# Allegro board 1155001-Timing_board_V3_20241024_1805_pcb.brd (continued)
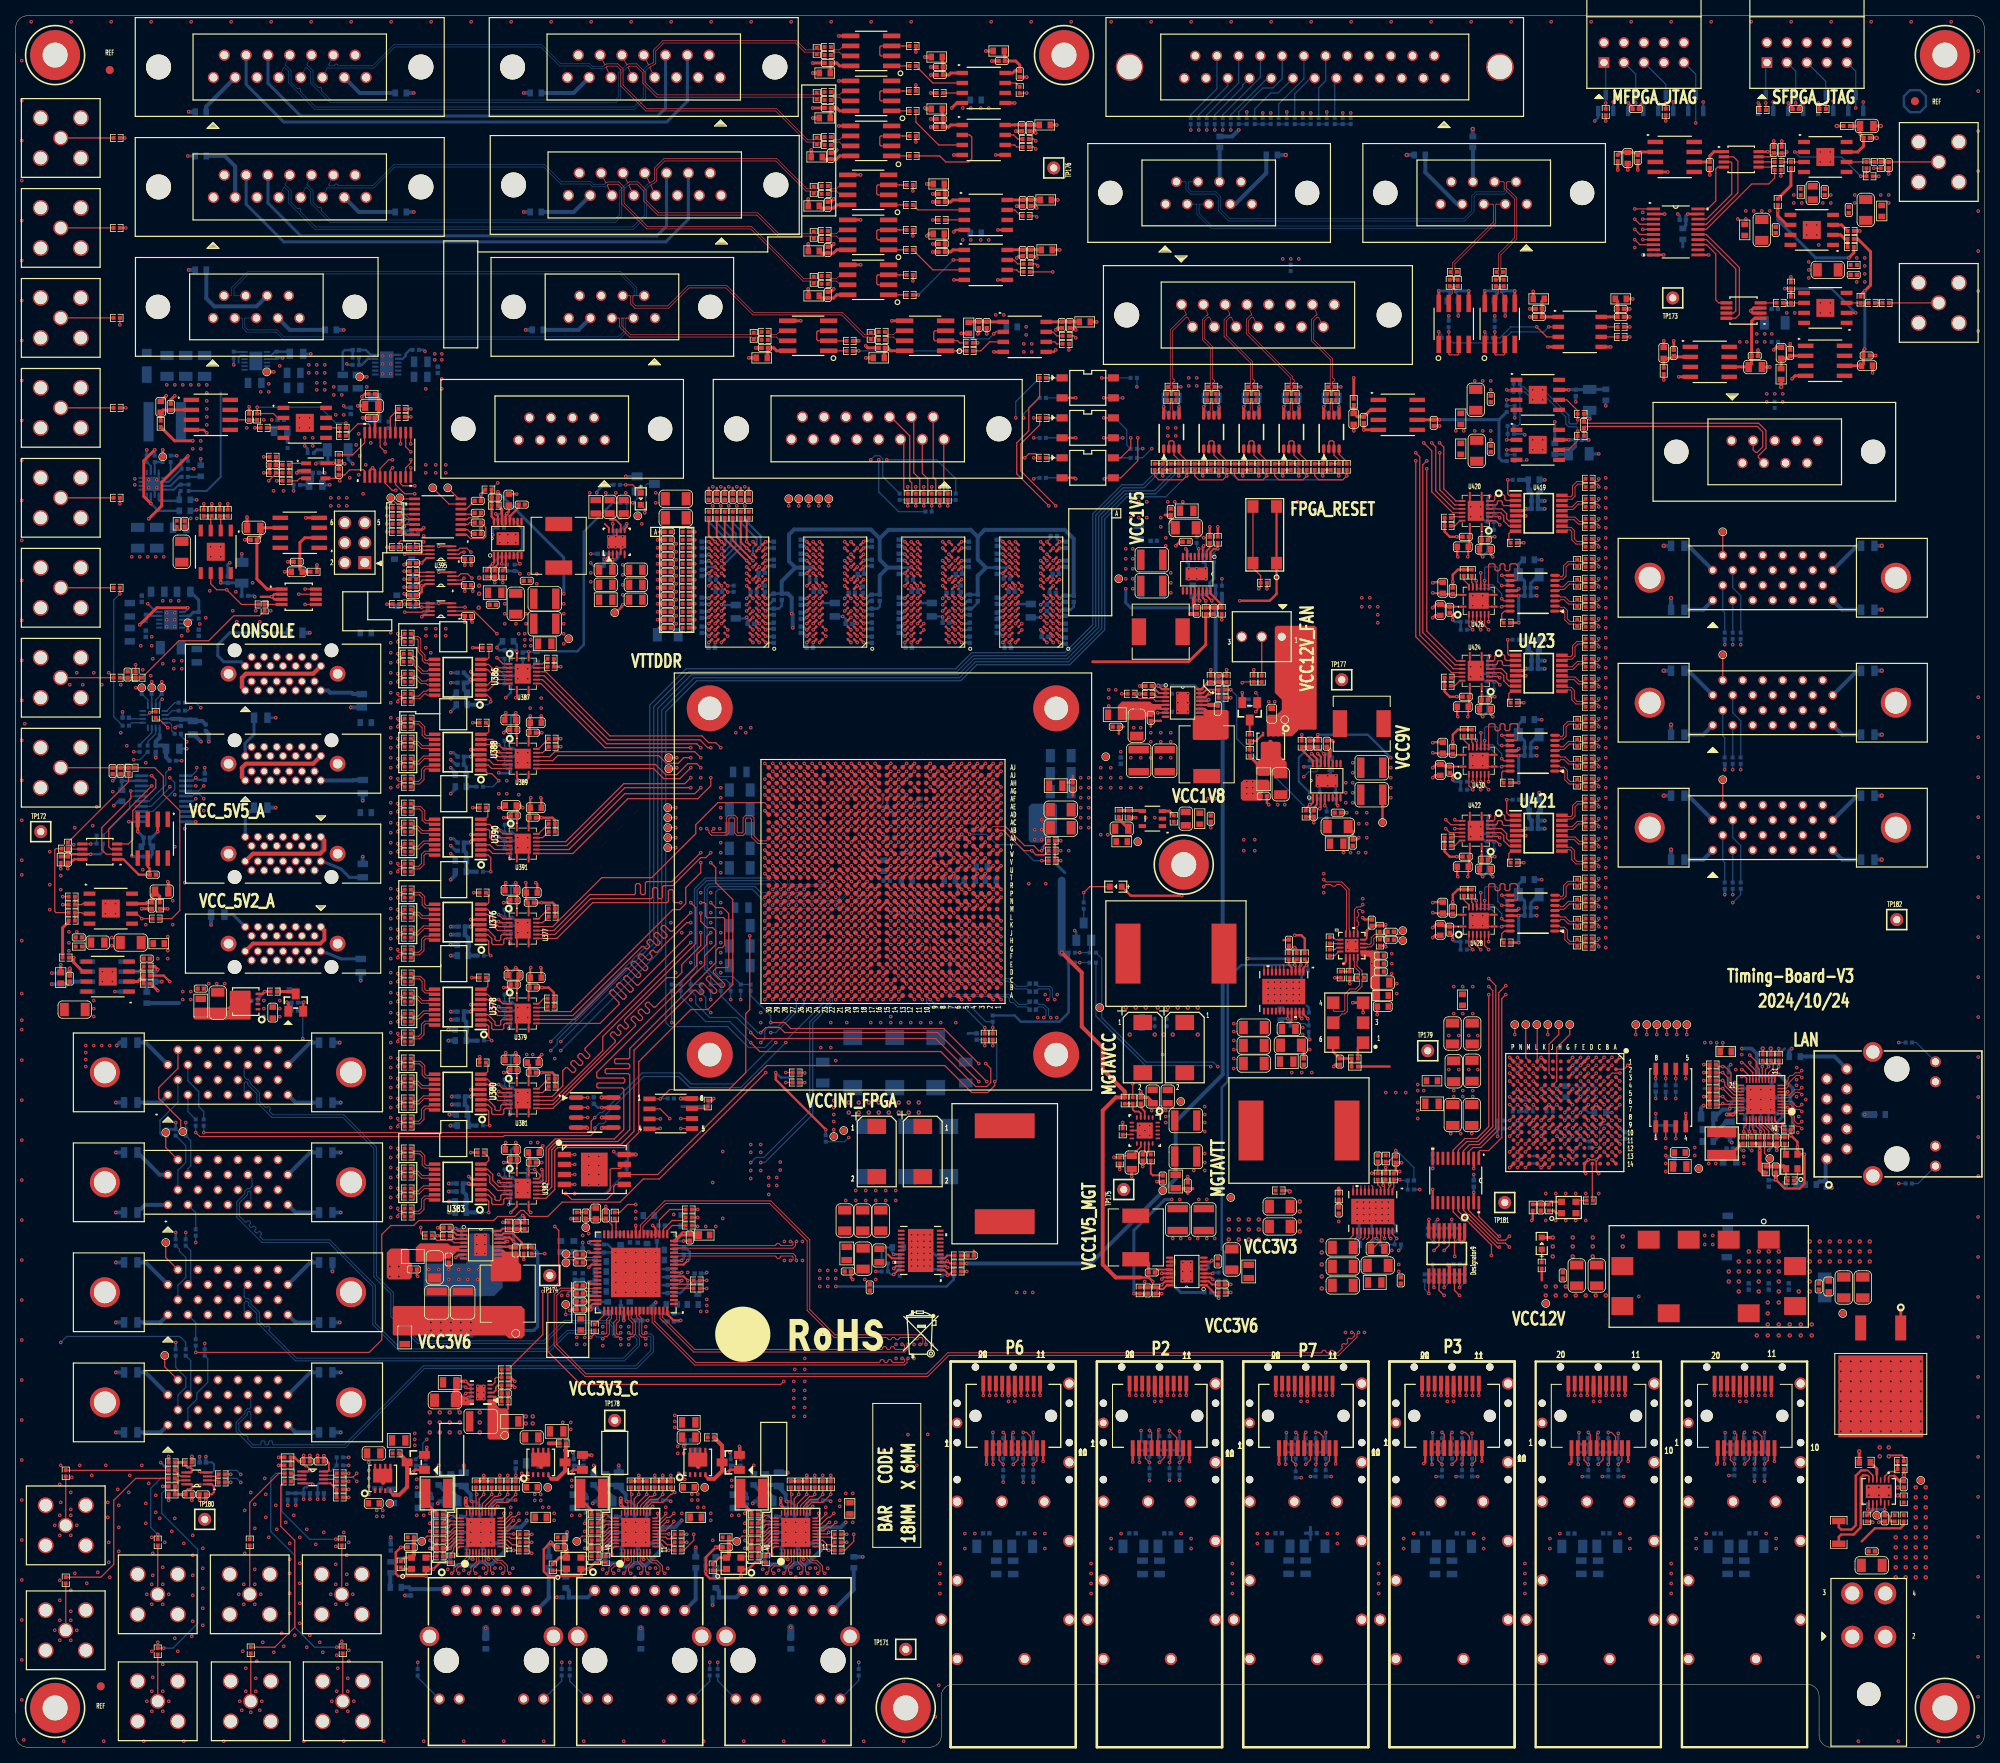
[diagram p0: board, top side]
## Routing (per net, layer and track width the routed paths; a pad name or vN(x,y) marks a point on that pad's centre or on a via; arc(x,y) is an arc through that point) (continued)
SFPGA_RGMII_MDIO: length 47.9
  TOP w0.157: U88.N10 v1(190.72,77.65) ; v2(221.87,88.77) R855.2
  ART03 w0.117: v2(221.87,88.77) 221.87,89.03 220.43,90.47 212.9,90.47 208.72,86.3 208.72,84.65 206.32,82.25 206.32,78.44 204.85,76.96 204.85,76.07 203.94,75.16 199.62,75.16 198.22,76.56 198.22,78.92 198.02,79.12 191.51,79.12 191.39,79 191.39,77.76 191.27,77.65 v1(190.72,77.65)
SFPGA_RGMII_RX_CLK: length 50
  TOP w0.157: U93.27 216.88,81.7 v1(216.79,81.79) 216.66,81.66 R868.1 ; U88.H11 195.72,77.64 v1(195.72,77.65)
  ART10 w0.117: v1(195.72,77.65) 195.24,77.17 191.66,77.17 191.26,76.77 191.26,76.45 191.01,76.2 190.47,76.2 190.22,75.95 190.22,75.46 189.23,74.47 189.23,73.15 190.88,71.5 211.46,71.5 213.74,73.79 213.74,78.11 216.43,80.8 216.43,81.43 v1(216.79,81.79)
  BOTTOM w0.157: R868.1 216.66,81.66 v1(216.79,81.79)
SFPGA_RGMII_RX_CTL: length 49.8
  TOP w0.157: R869.1 v1(216.79,82.68) 217.37,82.1 U93.26 ; U88.P12 v1(189.72,75.65)
  ART10 w0.117: v1(216.79,82.68) 217.3,82.17 217.3,81.53 216.81,81.05 216.81,80.67 214.12,77.98 214.12,71.11 214.01,70.99 213.7,70.99 213.58,71.11 213.58,72.15 213.47,72.26 213.23,72.26 213.12,72.15 213.12,71.11 213,70.99 190.63,70.99 188.72,72.9 188.72,74.64 v1(189.72,75.65)
  BOTTOM w0.157: R869.1 v1(216.79,82.68)
SFPGA_RGMII_RXD0: length 49.8
  TOP w0.157: U93.25 217.99,82.5 v1(216.79,83.69) R872.1 ; U88.M11 v1(191.72,76.65)
  ART10 w0.117: v1(216.79,83.69) 216.17,83.69 216.05,83.58 216.05,80.92 212.72,77.6 212.72,74.29 212.45,74.02 212.29,74.02 212.07,74.24 211.91,74.24 211.74,74.07 211.74,73.91 211.96,73.69 211.96,73.53 211.79,73.36 211.63,73.36 211.41,73.58 211.24,73.58 211.08,73.41 211.08,73.25 211.29,73.03 211.29,72.86 211.13,72.7 210.96,72.7 210.75,72.91 210.58,72.91 210.42,72.75 210.42,72.58 210.63,72.37 210.63,72.2 210.44,72.01 209.18,72.01 209.06,72.13 209.06,73.16 208.94,73.28 208.71,73.28 208.59,73.16 208.59,72.13 208.48,72.01 191.13,72.01 190.25,72.9 190.25,74.78 190.65,75.18 190.95,75.18 191.26,75.49 191.26,75.82 191.72,76.28 v1(191.72,76.65)
  BOTTOM w0.157: R872.1 v1(216.79,83.69)
SFPGA_RGMII_RXD1: length 49.9
  TOP w0.157: U88.M12 v1(191.72,75.65) ; R863.2 v1(216.79,84.71) 217.04,84.45 217.04,84.07 218.22,82.9 U93.24
  ART10 w0.117: v1(216.79,84.71) 215.65,84.71 213.23,82.3 213.23,80.26 211.96,78.99 211.96,75.56 211.07,74.68 208.91,74.68 207.01,72.77 205.63,72.77 205.51,72.89 205.51,73.29 205.4,73.41 205.16,73.41 205.05,73.29 205.05,72.89 204.93,72.77 204.67,72.77 204.55,72.89 204.55,74.05 204.43,74.17 204.2,74.17 204.08,74.05 204.08,72.89 203.97,72.77 203.73,72.77 203.62,72.89 203.62,73.54 203.5,73.66 203.27,73.66 203.15,73.54 203.15,72.89 203.03,72.77 202.8,72.77 202.68,72.89 202.68,73.54 202.57,73.66 202.33,73.66 202.21,73.54 202.21,72.89 202.1,72.77 201.86,72.77 201.75,72.89 201.75,73.54 201.63,73.66 199.14,73.66 198.25,72.77 191.86,72.77 191.22,73.41 191.22,74.26 191.72,74.76 v1(191.72,75.65)
  BOTTOM w0.157: R863.2 v1(216.79,84.71)
SFPGA_RGMII_RXD2: length 49.8
  TOP w0.157: U88.N14 v1(190.72,73.65) ; R862.2 v1(216.79,85.72) 217.42,85.09 217.42,84.2 218.33,83.3 U93.23
  ART10 w0.117: v1(190.72,73.65) 190.72,73.31 191.64,72.39 208.04,72.39 208.15,72.51 208.15,73.41 208.41,73.66 210.69,73.66 212.34,75.31 212.34,78.74 212.55,78.95 212.72,78.95 213.06,78.6 213.22,78.6 213.39,78.77 213.39,78.93 213.05,79.28 213.05,79.44 213.21,79.61 213.38,79.61 213.72,79.27 213.89,79.27 214.05,79.43 214.05,79.6 213.71,79.94 213.71,80.1 213.87,80.27 214.04,80.27 214.38,79.93 214.55,79.93 214.71,80.09 214.71,80.26 214.37,80.6 214.37,80.77 214.54,80.93 214.7,80.93 215.04,80.59 215.21,80.59 215.37,80.75 215.37,80.92 215.03,81.26 215.03,81.43 215.65,82.04 215.65,84.08 215.76,84.2 217.69,84.2 217.81,84.32 217.81,85.61 217.69,85.72 v1(216.79,85.72)
  BOTTOM w0.157: R862.2 v1(216.79,85.72)
SFPGA_RGMII_RXD3: length 50.1
  TOP w0.157: R857.2 216.17,86.49 v1(216.79,86.49) 217.04,86.49 217.83,85.7 217.83,84.3 218.44,83.7 U93.22 ; U88.M14 v1(191.72,73.65)
  ART10 w0.117: v1(191.72,73.65) 193.13,75.06 195.17,75.06 195.29,74.94 195.29,73.65 195.4,73.53 195.64,73.53 195.76,73.65 195.76,74.94 195.87,75.06 197.99,75.06 198.88,74.17 203.12,74.17 203.58,74.63 204.94,74.63 205.06,74.51 205.06,74.03 205.18,73.91 205.41,73.91 205.53,74.03 205.53,74.51 205.64,74.63 205.88,74.63 205.99,74.51 205.99,74.03 206.11,73.91 206.34,73.91 206.46,74.03 206.46,74.51 206.58,74.63 206.81,74.63 206.93,74.51 206.93,74 207.04,73.89 207.36,73.89 209.17,75.69 211.47,75.69 211.58,75.81 211.58,79.25 212.72,80.39 212.72,84.84 214.12,86.23 215.59,86.23 215.72,86.11 215.72,85.59 215.84,85.47 216.07,85.47 216.19,85.59 216.19,86.37 216.31,86.49 v1(216.79,86.49)
  BOTTOM w0.157: v1(216.79,86.49) 216.17,86.49 R857.2
SFPGA_RGMII_TX_CLK: length 51.1
  TOP w0.157: v1(219.2,85.22) 219.58,85.22 219.81,84.99 U93.20 ; U88.G11 v1(196.72,76.65)
  ART03 w0.117: v1(196.72,76.65) 196.15,77.22 193.42,77.22 193.17,76.96 193.17,76.45 192.66,75.95 192.66,73.28 194.69,71.25 204.85,71.25 209.3,75.69 209.93,75.69 210.18,75.94 210.18,79.89 210.3,80.01 210.6,80.01 210.72,79.89 210.72,79.31 210.83,79.2 211.07,79.2 211.18,79.31 211.18,79.89 211.3,80.01 212.85,80.01 213.87,81.03 213.87,85.98 214.12,86.23 214.63,86.23 215.34,86.94 217.12,86.94 217.3,86.77 217.3,85.9 217.98,85.22 v1(219.2,85.22)
SFPGA_RGMII_TX_CTL: length 51.2
  TOP w0.157: U93.19 220.21,85.22 219.33,86.11 v1(219.2,86.11) ; U88.K11 v1(193.72,76.65)
  ART03 w0.117: v1(219.2,86.11) 217.75,87.55 214.43,87.55 213.49,86.61 213.49,81.28 213.36,81.15 211.55,81.15 211.43,81.04 211.43,80.76 211.32,80.64 211.08,80.64 210.97,80.76 210.97,81.04 210.85,81.15 209.93,81.15 209.8,81.03 209.8,78.31 209.56,78.06 209.24,78.06 209.12,77.95 209.12,76.02 207.41,74.32 207.25,74.32 206.9,74.66 206.74,74.66 206.57,74.49 206.57,74.33 206.92,73.98 206.92,73.82 206.75,73.65 206.58,73.65 206.24,74 206.08,74 205.91,73.83 205.91,73.67 206.25,73.32 206.25,73.16 206.09,72.99 205.92,72.99 205.58,73.34 205.42,73.34 205.25,73.17 205.25,73 205.59,72.66 205.59,72.5 205.43,72.33 205.26,72.33 204.92,72.67 204.75,72.67 204.59,72.51 204.59,72.34 204.93,72 204.93,71.84 204.72,71.63 194.94,71.63 193.17,73.41 193.17,75.56 193.72,76.12 v1(193.72,76.65)
SFPGA_RGMII_TXD0: length 51.2
  TOP w0.157: v1(219.2,87) 219.33,87 220.62,85.71 U93.18 ; U88.J11 v1(194.72,76.65)
  ART03 w0.117: v1(219.2,87) 218.82,87 217.89,87.92 214.29,87.92 213.11,86.74 213.11,82.03 212.61,81.53 209.79,81.53 208.71,80.45 208.71,80.13 208.83,80.02 209.26,80.02 209.37,79.9 209.37,79.67 209.26,79.55 208.45,79.55 208.33,79.43 208.33,79.2 208.45,79.08 209.26,79.08 209.37,78.96 209.37,78.73 209.26,78.61 208.83,78.61 208.71,78.5 208.71,77.14 207.99,76.42 207.99,76.25 208.33,75.91 208.33,75.74 208.17,75.58 208,75.58 207.15,76.43 206.98,76.43 206.82,76.26 206.82,76.1 207.67,75.25 207.67,75.08 207.5,74.92 207.34,74.92 207,75.26 206.83,75.26 203.58,72.01 195.2,72.01 194.18,73.03 194.18,76.11 v1(194.72,76.65)
SFPGA_RGMII_TXD1: length 50.9
  TOP w0.157: v1(220.22,87) 220.22,86.74 221.02,85.94 U93.17 ; U88.J12 v1(194.72,75.65)
  ART03 w0.117: v1(220.22,87) 220.73,87.5 220.73,88.55 219.61,89.66 218.41,89.66 217.84,89.1 214.1,89.1 213.98,89.21 213.98,89.55 213.86,89.66 213.63,89.66 213.51,89.55 213.51,89.21 213.39,89.1 212.59,89.1 211.36,87.87 211.36,87.7 211.42,87.64 211.42,87.47 211.26,87.3 211.09,87.3 211.03,87.37 210.86,87.37 210.21,86.72 210.21,86.12 210.09,86 209.59,86 209.47,85.89 209.47,85.65 209.59,85.53 210.09,85.53 210.21,85.42 210.21,83.43 210.09,83.31 208.41,83.31 207.09,81.99 207.09,78.12 205.61,76.65 205.61,75.77 203.61,73.76 196.33,73.76 196.22,73.88 196.22,76.65 196.1,76.76 195.85,76.76 195.73,76.65 195.73,74.77 195.61,74.65 195.38,74.65 195.26,74.77 195.26,75.53 195.14,75.65 v1(194.72,75.65)
SFPGA_RGMII_TXD2: length 51.1
  TOP w0.157: v1(220.22,87.95) 221.11,87.06 221.11,86.49 221.42,86.18 U93.16 ; U88.J13 v1(194.72,74.65)
  ART03 w0.117: v1(194.72,74.65) 194.72,74.26 195.66,73.33 198.14,73.33 198.25,73.21 198.25,73.01 198.37,72.9 198.6,72.9 198.72,73.01 198.72,73.21 198.84,73.33 203.71,73.33 205.99,75.62 205.99,76.49 207.47,77.96 207.47,81.48 207.9,81.92 208.53,81.92 208.91,82.3 208.91,82.81 209.03,82.93 211.31,82.93 211.43,83.05 211.43,85.4 211.31,85.52 210.68,85.52 210.57,85.63 210.57,85.87 210.68,85.99 212.1,85.99 212.22,86.1 212.22,86.34 212.1,86.45 210.94,86.45 210.82,86.57 210.82,86.8 210.94,86.92 212.24,86.92 212.39,87.06 212.39,87.23 211.91,87.71 211.91,87.88 212.07,88.04 212.24,88.04 212.72,87.56 212.88,87.56 213.05,87.73 213.05,87.89 212.57,88.37 212.57,88.54 212.73,88.7 212.9,88.7 213.38,88.22 213.55,88.22 214.04,88.72 218,88.72 218.57,89.28 219.46,89.28 220.22,88.52 v1(220.22,87.95)
SFPGA_RGMII_TXD3: length 51
  TOP w0.157: U93.15 v1(221.81,86.49) ; U88.J14 v1(194.72,73.65)
  ART03 w0.117: v1(221.81,86.49) 221.81,84.24 221.7,84.12 221,84.12 220.88,84.24 220.88,86.17 220.76,86.28 220.53,86.28 220.41,86.17 220.41,84.24 220.3,84.12 219.8,84.12 219.68,84.24 219.68,87.36 219.54,87.5 218.95,87.5 218.14,88.32 214.17,88.32 212.6,86.74 212.6,83.19 211.33,81.92 209.55,81.92 209.04,81.41 208.28,81.41 207.85,80.98 207.85,77.8 206.38,76.33 206.38,75.44 203.33,72.39 195.98,72.39 v1(194.72,73.65)
SYNC_N: length 12.6
  TOP w0.089: J127.2 151.42,182.1 151.38,181.98 151.22,181.9 150.71,181.39 150.71,178.82 151.71,177.82 151.71,173.11 R3362.2 151.71,172.6 151.71,172.34 R3364.2
SYNC_P: length 12.5
  TOP w0.089: J127.10 151.62,181.67 151.51,181.71 151.39,181.66 151,181.27 151,178.94 152,177.95 152,173.86 152.09,173.77 152.16,173.77 152.25,173.68 152.25,173.5 152.16,173.41 152.09,173.41 152,173.33 152,173.11 R3362.1 152,172.6 152,172.34 R3365.2
TDI_1_GPIO_IN: length 9.6
  TOP w0.157: R3275.2 v1(18.03,27.05)
  BOTTOM w0.157: R2611.1 18.41,34.16 17.14,32.89 17.14,27.94 v1(18.03,27.05)
TDI_1_SYNC_GPIO_OUT: length 13
  TOP w0.157: R3279.2 v1(40.64,26.44)
  BOTTOM w0.157: R2617.1 33.78,33.42 33.78,29.97 37.32,26.44 v1(40.64,26.44)
TDI_2_GPIO_IN: length 26
  TOP w0.157: R3276.2 v1(18.8,12.59)
  BOTTOM w0.157: R2613.1 18.54,32.28 18.54,29.72 23.11,25.15 23.11,15.75 19.96,12.59 v1(18.8,12.59)
TDI_2_SYNC_GPIO_OUT: length 29.3
  TOP w0.157: R3280.2 v1(40.77,12.72)
  BOTTOM w0.157: R2619.1 33.02,34.8 32.38,34.16 32.38,27.43 35.43,24.38 35.43,15.24 37.95,12.72 v1(40.77,12.72)
TDI_3_GPIO_IN: length 23
  TOP w0.157: R2623.1 15.24,34.16 12.45,31.37 12.45,23.24 10.81,21.61 R3277.2
TDI_3_SYNC_GPIO_OUT: length 10.6
  TOP w0.157: R3281.2 29.72,31.11 33.4,34.8 R2629.1
TDI_4_GPIO_IN: length 13.1
  TOP w0.157: R2625.1 6.37,35.18 R3278.2
TDI_4_SYNC_GPIO_OUT: length 26.1
  TOP w0.157: R3282.2 32.91,12.72 35.43,15.24 35.43,26.29 33.66,28.07 33.66,33.29 R2631.1
TIMING_SPI_CLK_1_N: length 152
  TOP w0.122: U247.V20 v1(105.14,113)
  ART10 w0.099: 94.64,107.6 94.61,107.6 94.54,107.67 93.72,107.67 91.59,105.54 77.72,105.54 68.07,95.89 63.12,95.89 62.36,95.12 62.36,93.73 61.91,93.28 60.39,93.28 56.13,89.03 54.23,89.03 51.31,86.11 51.31,78.36 49.53,76.58 49.53,59.18 47.16,56.81 47.16,42.81 45.34,41 43.17,41 42.87,40.7 42.87,39.76 42.77,39.66 42.37,39.66 42.27,39.76 42.27,40.7 41.97,41 40,41 39.7,40.7 39.7,39.48 39.6,39.38 39.2,39.38 39.1,39.48 39.1,40.7 38.8,41 38.12,41 37.82,40.7 37.82,39.48 37.72,39.38 37.33,39.38 37.23,39.48 37.23,40.7 36.93,41 36.16,41 34.68,39.51 30.89,39.51 30.79,39.61 30.79,39.76 30.69,39.86 30.49,39.86 30.39,39.76 30.39,39.61 30.29,39.51 30.09,39.51 29.99,39.61 29.99,39.76 29.9,39.86 29.7,39.86 29.6,39.76 29.6,39.61 29.5,39.51 29.3,39.51 29.2,39.61 29.2,39.76 29.1,39.86 28.9,39.86 28.81,39.76 28.81,39.61 28.71,39.51 26.53,39.51 26.12,39.92 26.12,41.59 27.1,42.57 27.22,42.57 27.33,42.46 27.33,41.94 26.95,41.55 J62.7
  ART10 w0.102: v1(105.14,113) 105.43,113 105.54,112.9 105.54,107.8 105.34,107.6 94.64,107.6
TIMING_SPI_CLK_1_P: length 152.4
  TOP w0.122: U247.V19 v1(106.14,113)
  ART10 w0.099: 94.64,107.4 94.61,107.4 94.54,107.33 93.87,107.33 91.73,105.19 77.87,105.19 68.21,95.54 63.26,95.54 62.7,94.98 62.7,93.58 62.05,92.94 60.53,92.94 56.28,88.68 54.37,88.68 51.65,85.96 51.65,78.22 49.87,76.44 49.87,59.04 47.5,56.66 47.5,42.67 45.48,40.65 43.31,40.65 43.21,40.55 43.21,39.62 42.91,39.32 42.23,39.32 41.93,39.62 41.93,40.55 41.83,40.65 40.14,40.65 40.04,40.55 40.04,39.34 39.74,39.04 39.06,39.04 38.76,39.34 38.76,40.55 38.66,40.65 38.26,40.65 38.17,40.55 38.17,39.34 37.87,39.04 37.19,39.04 36.89,39.34 36.89,40.55 36.79,40.65 36.31,40.65 34.82,39.17 26.39,39.17 25.78,39.77 25.78,41.73 26.96,42.91 27.23,42.91 27.33,43.01 27.33,43.66 26.95,44.04 J62.20
  ART10 w0.102: 94.64,107.4 105.44,107.4 105.74,107.7 105.74,112.9 105.84,113 v1(106.14,113)
TIMING_SPI_CLK_2_N: length 114.9
  TOP w0.122: U247.K29 v1(96.14,104)
  ART08 w0.099: J73.7 26.95,69.52 27.43,70 27.43,70.28 27.27,70.45 27.09,70.45 26.05,69.41 26.05,67.96 27.22,66.79 28.6,66.79 28.7,66.89 28.7,67.03 28.8,67.13 29,67.13 29.1,67.03 29.1,66.89 29.2,66.79 29.4,66.79 29.5,66.89 29.5,67.03 29.59,67.13 29.79,67.13 29.89,67.03 29.89,66.89 29.99,66.79 30.19,66.79 30.29,66.89 30.29,67.03 30.39,67.13 30.59,67.13 30.68,67.03 30.68,66.89 30.78,66.79 30.98,66.79 31.08,66.89 31.08,67.03 31.18,67.13 31.38,67.13 31.48,67.03 31.48,66.89 31.58,66.79 35.24,66.79 35.34,66.89 35.34,68.62 35.64,68.92 36.32,68.92 36.62,68.62 36.62,66.89 36.72,66.79 37.12,66.79 37.22,66.89 37.22,68.62 37.52,68.92 38.2,68.92 38.5,68.62 38.5,66.89 38.6,66.79 38.99,66.79 39.09,66.89 39.09,68.62 39.39,68.92 40.07,68.92 40.37,68.62 40.37,66.89 40.47,66.79 43.57,66.79 46.21,69.43 50.89,69.43 51.28,69.82 51.28,69.96 50.71,70.53 50.71,70.95 51.19,71.44 51.62,71.44 52.19,70.87 52.33,70.87 56.26,74.8 57.81,74.8 58.71,75.71 58.71,76.6 62.09,79.97 65.49,79.97 66.97,81.45 66.97,83.71 74.92,91.66 88.86,91.66 90.04,92.84 90.04,96.62 91.92,98.51 91.92,103.46 92.43,103.96 93.52,103.96 93.81,103.67 94.62,103.67 94.69,103.6 94.71,103.6
  ART08 w0.102: v1(96.14,104) 96.43,104 96.54,103.9 96.54,103.75 96.38,103.6 94.71,103.6
TIMING_SPI_CLK_2_P: length 114.8
  TOP w0.122: U247.K28 v1(97.14,104)
  ART08 w0.099: 94.71,103.4 94.69,103.4 94.62,103.33 93.67,103.33 93.38,103.62 92.57,103.62 92.27,103.32 92.27,98.36 90.39,96.48 90.39,92.69 89.01,91.32 75.06,91.32 67.31,83.57 67.31,81.3 65.64,79.63 62.23,79.63 59.05,76.45 59.05,75.56 57.95,74.46 56.4,74.46 52.47,70.53 52.04,70.53 51.47,71.09 51.34,71.09 51.05,70.81 51.05,70.67 51.62,70.1 51.62,69.68 51.03,69.09 46.35,69.09 43.71,66.45 40.33,66.45 40.03,66.75 40.03,68.48 39.93,68.57 39.53,68.57 39.44,68.48 39.44,66.75 39.14,66.45 38.46,66.45 38.16,66.75 38.16,68.48 38.06,68.57 37.66,68.57 37.56,68.48 37.56,66.75 37.26,66.45 36.58,66.45 36.28,66.75 36.28,68.48 36.18,68.57 35.79,68.57 35.69,68.48 35.69,66.75 35.39,66.45 27.07,66.45 25.7,67.82 25.7,69.55 26.95,70.79 27.15,70.79 27.33,70.97 27.33,71.63 26.95,72.01 J73.20
  ART08 w0.102: 94.71,103.4 96.47,103.4 96.74,103.67 96.74,103.9 96.84,104 v1(97.14,104)
TIMING_SPI_CLK_3_N: length 106.1
  TOP w0.122: U247.AF28 v1(97.14,121)
  ART10 w0.099: J74.7 26.95,83.49 27.33,83.87 27.33,84.4 27.22,84.5 27.1,84.5 25.91,83.31 25.91,82.3 26.42,81.79 26.97,81.79 27.07,81.89 27.07,81.99 27.17,82.09 27.37,82.09 27.47,81.99 27.47,81.89 27.57,81.79 27.76,81.79 27.86,81.89 27.86,81.99 27.96,82.09 28.16,82.09 28.26,81.99 28.26,81.89 28.36,81.79 28.56,81.79 28.66,81.89 28.66,81.99 28.75,82.09 28.95,82.09 29.05,81.99 29.05,81.89 29.15,81.79 29.35,81.79 29.45,81.89 29.45,81.99 29.55,82.09 29.75,82.09 29.84,81.99 29.84,81.89 29.94,81.79 35.31,81.79 38.86,85.34 38.86,86.51 38.76,86.61 36.94,86.61 36.64,86.91 36.64,87.59 36.94,87.89 38.76,87.89 38.86,87.99 38.86,88.39 38.76,88.49 36.94,88.49 36.64,88.79 36.64,89.47 36.94,89.77 38.76,89.77 38.86,89.87 38.86,91.19 47.12,99.44 56.26,99.44 59.82,103 65.15,103 81.03,118.87 87.14,118.87 88.46,120.18 95.05,120.18 95.12,120.11 95.15,120.11
  ART10 w0.102: v1(97.14,121) 97.14,120.7 97.04,120.6 95.8,120.6 95.31,120.11 95.15,120.11
TIMING_SPI_CLK_3_P: length 106
  TOP w0.122: U247.AE28 v1(97.14,120)
  ART10 w0.099: 95.15,119.91 95.12,119.91 95.05,119.84 88.6,119.84 87.29,118.53 81.17,118.53 65.29,102.65 59.96,102.65 56.4,99.1 47.26,99.1 39.2,91.04 39.2,89.72 38.91,89.42 37.08,89.42 36.98,89.33 36.98,88.93 37.08,88.83 38.91,88.83 39.2,88.53 39.2,87.85 38.91,87.55 37.08,87.55 36.98,87.45 36.98,87.05 37.08,86.96 38.91,86.96 39.2,86.66 39.2,85.2 35.45,81.45 26.27,81.45 25.57,82.15 25.57,83.45 26.96,84.84 27.23,84.84 27.33,84.94 27.33,85.6 26.95,85.98 J74.20
  ART10 w0.102: 95.15,119.91 95.4,119.91 95.89,120.4 97.04,120.4 97.14,120.3 v1(97.14,120)
TIMING_SPI_CLK_4_N: length 130.1
  TOP w0.122: U247.N24 v1(102.14,108)
  ART08 w0.099: 101.07,91.45 98.14,88.52 97.24,88.52 94.57,85.84 94.57,85.32 88.33,79.08 72.22,79.08 71.81,78.67 71.81,77.25 67.69,73.13 67.69,72.5 66.09,70.9 63.55,70.9 61.56,68.92 61.56,67.53 60.49,66.46 57.57,66.46 53.25,62.14 39.8,62.14 39.71,62.04 39.71,59.2 39.41,58.9 38.78,58.9 38.42,59.25 38.42,62.04 38.33,62.14 37.93,62.14 37.83,62.04 37.83,59.2 37.53,58.9 36.9,58.9 36.55,59.25 36.55,62.04 36.45,62.14 36.06,62.14 35.96,62.04 35.96,60.02 35.66,59.72 34.98,59.72 34.68,60.02 34.68,62.04 34.58,62.14 30.39,62.14 29.72,61.47 29.72,60.33 28.57,59.18 28.57,58.57 27.3,57.3 27.3,56.99 27,56.69 26.72,56.69 26.42,56.39 26.42,55.48 J94.7
  ART08 w0.102: v1(102.14,108) 102.43,108 102.54,108.1 102.54,108.3 102.43,108.4 101.85,108.4 101.74,108.28 101.74,94.34 101.81,94.27 101.81,92.19 101.08,91.45 101.07,91.45
TIMING_SPI_CLK_4_P: length 130.1
  TOP w0.122: U247.P23 v1(103.14,108)
  ART08 w0.099: 100.83,91.7 97.99,88.86 97.1,88.86 94.23,85.98 94.23,85.46 88.19,79.42 72.08,79.42 71.46,78.81 71.46,77.39 67.35,73.27 67.35,72.64 65.95,71.25 63.4,71.25 61.21,69.06 61.21,67.67 60.35,66.8 57.43,66.8 53.11,62.48 39.66,62.48 39.36,62.18 39.36,59.34 39.26,59.25 38.92,59.25 38.77,59.4 38.77,62.18 38.47,62.48 37.79,62.48 37.49,62.18 37.49,59.34 37.39,59.25 37.04,59.25 36.89,59.4 36.89,62.18 36.59,62.48 35.91,62.48 35.61,62.18 35.61,60.16 35.51,60.06 35.12,60.06 35.02,60.16 35.02,62.18 34.72,62.48 30.25,62.48 29.38,61.61 29.38,60.47 28.23,59.32 28.23,58.71 26.96,57.44 26.96,57.14 26.86,57.03 26.66,57.03 26.54,57.15 26.54,58.36 J94.20
  ART08 w0.102: 100.83,91.7 101.47,92.33 101.47,94.27 101.54,94.34 101.54,108.37 101.77,108.6 102.52,108.6 102.74,108.38 102.74,108.1 102.84,108 v1(103.14,108)
TIMING_SPI_CLK_5_N: length 29.3
  TOP w0.122: R3303.1 200.51,142.71 200.92,142.71 201.04,142.59 v1(201.04,142.37)
  ART10 w0.099: J112.7 223.55,146.14 223.55,147.34 223.45,147.44 223.34,147.44 222,146.1 222,143.33 221.37,142.7 201.38,142.7 v1(201.04,142.37)
TIMING_SPI_CLK_5_P: length 29.4
  TOP w0.122: v1(201.04,143.38) 201.04,143.16 200.92,143.04 200.51,143.04 R3304.1
  ART10 w0.099: J112.20 223.55,149.14 223.55,147.89 223.45,147.79 223.2,147.79 221.65,146.24 221.65,143.47 221.23,143.05 201.38,143.05 v1(201.04,143.38)
TIMING_SPI_CLK_5_P_S: length 7.9
  TOP w0.157: v1(188.72,144.91) 188.81,145 U425.15 ; v1(185.48,148.23) 185.55,148.16 U426.13
  BOTTOM w0.157: v1(188.72,144.91) 187.99,144.91 187.83,145.06 187.83,146.69 187.32,147.19 185.8,147.19 185.48,147.52 v1(185.48,148.23)
TIMING_SPI_CLK_5_P_S_C: length 162.5
  TOP w0.157: U247.AG24 v1(101.14,122) ; v1(186.05,141.99) 185.55,142.49 U426.4
  ART05 w0.117: v1(186.05,141.99) 185.54,142.49 182.25,142.49 180.72,144.02 179.83,144.02 179.45,144.4 175.29,144.4 175.17,144.52 175.17,145.17 175.06,145.29 174.82,145.29 174.71,145.17 174.71,144.52 174.59,144.4 174.36,144.4 174.24,144.52 174.24,145.17 174.12,145.29 173.89,145.29 173.77,145.17 173.77,144.52 173.65,144.4 168.91,144.4 156.59,156.72 138.05,156.72 136.17,158.6 129.9,158.6 128.6,157.3 85.55,157.3 83.61,155.37 83.61,153.97 83.01,153.36 83.01,139.89 85.97,136.93 92.13,136.93 102.62,126.44 102.62,124.31 101.69,123.38 101.69,122.56 v1(101.14,122)
TIMING_SPI_CLK_6_N: length 34
  TOP w0.122: v1(201.04,101.73) 201.04,101.95 200.92,102.07 200.51,102.07 R3311.1
  ART10 w0.099: J113.7 223.55,114.39 223.55,115.59 223.45,115.69 223.34,115.69 222,114.35 222,109.88 214.18,102.06 201.38,102.06 v1(201.04,101.73)
TIMING_SPI_CLK_6_P: length 34.1
  TOP w0.122: v1(201.04,102.74) 201.04,102.52 200.92,102.4 200.51,102.4 R3312.1
  ART10 w0.099: J113.20 223.55,117.39 223.55,116.14 223.45,116.04 223.2,116.04 221.65,114.49 221.65,110.02 214.04,102.41 201.38,102.41 v1(201.04,102.74)
TIMING_SPI_CLK_6_P_S: length 7.9
  TOP w0.157: v1(185.48,107.59) 185.48,107.59 185.55,107.52 U428.13 ; v1(188.72,104.27) 188.81,104.36 U427.15
  BOTTOM w0.157: v1(185.48,107.59) 185.48,106.88 185.8,106.55 187.33,106.55 187.83,106.05 187.83,104.42 187.99,104.27 v1(188.72,104.27)
TIMING_SPI_CLK_6_P_S_C: length 191.1
  TOP w0.157: U428.4 185.55,101.85 v1(186.05,101.35) ; U247.AE25 v1(100.14,120)
  ART03 w0.117: v1(186.05,101.35) 185.54,101.85 184.78,101.85 178.82,107.82 178.82,139.32 177.04,141.1 177.04,143 170.94,149.1 147.96,149.1 147.37,149.68 142.93,149.68 142.24,150.37 137.04,150.37 133,154.41 87.66,154.41 86.74,153.49 86.74,136.65 84.84,134.75 84.84,130.68 86.87,128.65 89.41,128.65 91.9,126.16 99.62,126.16 100.61,125.17 100.61,120.47 v1(100.14,120)
TIMING_SPI_CLK_7_N: length 30.2
  TOP w0.122: R3319.1 200.51,122.39 200.92,122.39 201.04,122.27 v1(201.04,122.05)
  ART10 w0.099: v1(201.04,122.05) 201.38,122.38 204.28,122.38 208.16,126.26 219.05,126.26 222,129.21 222,130.23 223.34,131.57 223.45,131.57 223.55,131.47 223.55,130.26 J114.7
TIMING_SPI_CLK_7_P: length 30.2
  TOP w0.122: R3320.1 200.51,122.72 200.92,122.72 201.04,122.84 v1(201.04,123.06)
  ART10 w0.099: J114.20 223.55,133.27 223.55,132.01 223.45,131.91 223.2,131.91 221.65,130.37 221.65,129.35 218.91,126.61 208.01,126.61 204.13,122.73 201.38,122.73 v1(201.04,123.06)
TIMING_SPI_CLK_7_P_S: length 8
  TOP w0.157: U429.15 188.81,124.68 v1(188.72,124.59) ; v1(185.5,127.94) 185.55,127.89 U430.13
  BOTTOM w0.157: v1(185.5,127.94) 185.55,127.89 185.55,127.13 185.8,126.87 187.33,126.87 187.83,126.36 187.83,124.74 187.99,124.59 v1(188.72,124.59)
TIMING_SPI_CLK_7_P_S_C: length 166.9
  TOP w0.157: U247.AH21 v1(104.14,123) ; v1(186.05,121.67) 185.55,122.17 U430.4
  ART05 w0.117: v1(104.14,123) 104.65,123.51 104.65,126.11 92.56,138.2 86.34,138.2 84.96,139.57 84.96,154.91 86.21,156.16 129.46,156.16 130.17,156.87 136.12,156.87 138.94,154.05 142.75,154.05 143.64,153.16 158.24,153.16 181.1,130.3 181.1,126.36 183.9,123.57 183.9,122.05 184.78,121.16 185.54,121.16 v1(186.05,121.67)
TIMING_SPI_CSN_1_N_C: length 47.7
  TOP w0.122: R2941.2 49.04,70.65 48.64,70.65 48.51,70.77 v1(48.51,70.99)
  ART03 w0.099: J62.24 31.68,44.78 31.43,45.02 31.43,45.55 32.22,46.34 32.22,46.9 33.44,48.13 34.72,48.13 35.07,47.77 35.49,47.77 35.98,48.26 35.98,48.68 35.62,49.03 35.62,49.17 35.9,49.45 36.04,49.45 36.4,49.1 36.82,49.1 37.3,49.58 37.3,50.01 36.95,50.36 36.95,50.5 37.23,50.78 37.37,50.78 37.72,50.43 38.15,50.43 38.63,50.91 38.63,51.33 38.28,51.68 38.28,51.82 39.64,53.19 40.42,53.19 40.52,53.09 40.52,52.98 40.62,52.88 40.81,52.88 40.91,52.98 40.91,53.09 41.01,53.19 41.21,53.19 41.31,53.09 41.31,53.01 41.41,52.91 41.61,52.91 41.71,53.01 41.71,53.09 41.8,53.19 42,53.19 42.1,53.09 42.1,53.01 42.2,52.91 42.4,52.91 42.5,53.01 42.5,53.09 42.6,53.19 43.68,53.19 44.19,53.7 44.33,53.7 44.43,53.59 44.57,53.59 44.71,53.73 44.71,53.87 44.61,53.98 44.61,54.12 44.75,54.26 44.89,54.26 45.03,54.11 45.17,54.11 45.31,54.25 45.31,54.39 45.17,54.54 45.17,54.68 45.31,54.82 45.45,54.82 45.6,54.67 45.74,54.67 45.88,54.81 45.88,54.95 45.73,55.1 45.73,55.24 45.87,55.38 46.01,55.38 46.16,55.23 46.3,55.23 46.44,55.37 46.44,55.51 46.29,55.66 46.29,55.8 46.86,56.38 46.86,68.65 47.22,69 49.04,69 49.76,69.72 49.76,70.36 49.46,70.66 48.85,70.66 v1(48.51,70.99)
TIMING_SPI_CSN_1_P: length 74
  TOP w0.122: U247.N29 v1(96.14,107)
  TOP w0.157: U382.11 67.12,70.24 68.07,71.19 68.07,75.91 68.74,76.58 76.83,76.58 78.52,78.27 78.52,88.55 86.15,96.19 86.38,96.19 86.91,95.65 87.14,95.65 87.36,95.87 87.36,96.09 86.82,96.63 86.82,96.85 87.04,97.08 87.27,97.08 88.57,95.78 88.79,95.78 89.01,96 89.01,96.22 87.71,97.52 87.71,97.75 87.94,97.97 88.16,97.97 89.59,96.54 89.81,96.54 90.03,96.76 90.03,96.99 88.6,98.41 88.6,98.64 89.03,99.06 90.39,99.06 90.55,99.22 90.55,105.92 89.79,106.68 88.9,106.68 v1(88.27,107.31)
  ART05 w0.102: 94.57,107.4 95.74,107.4 v1(96.14,107)
  ART05 w0.117: 94.57,107.4 90.25,107.4 89.73,106.88 88.7,106.88 v1(88.27,107.31)
TIMING_SPI_CSN_1_P_C: length 47.7
  TOP w0.122: R2939.2 49.04,70.32 48.64,70.32 48.51,70.2 v1(48.51,69.98)
  ART03 w0.099: J62.11 32.03,42.85 31.09,43.8 31.09,45.69 31.88,46.48 31.88,47.05 33.3,48.47 34.86,48.47 35.21,48.12 35.35,48.12 35.63,48.4 35.63,48.54 35.28,48.89 35.28,49.31 35.76,49.79 36.19,49.79 36.54,49.44 36.68,49.44 36.96,49.73 36.96,49.86 36.61,50.22 36.61,50.64 37.09,51.12 37.51,51.12 37.86,50.77 38,50.77 38.28,51.05 38.28,51.19 37.93,51.54 37.93,51.97 39.5,53.53 43.53,53.53 46.52,56.52 46.52,68.79 47.07,69.34 48.9,69.34 49.42,69.87 49.42,70.21 49.32,70.31 48.85,70.31 v1(48.51,69.98)
TIMING_SPI_CSN_1_P_H: length 4.9